# Altium PCB FlightController.PcbDoc (continued)
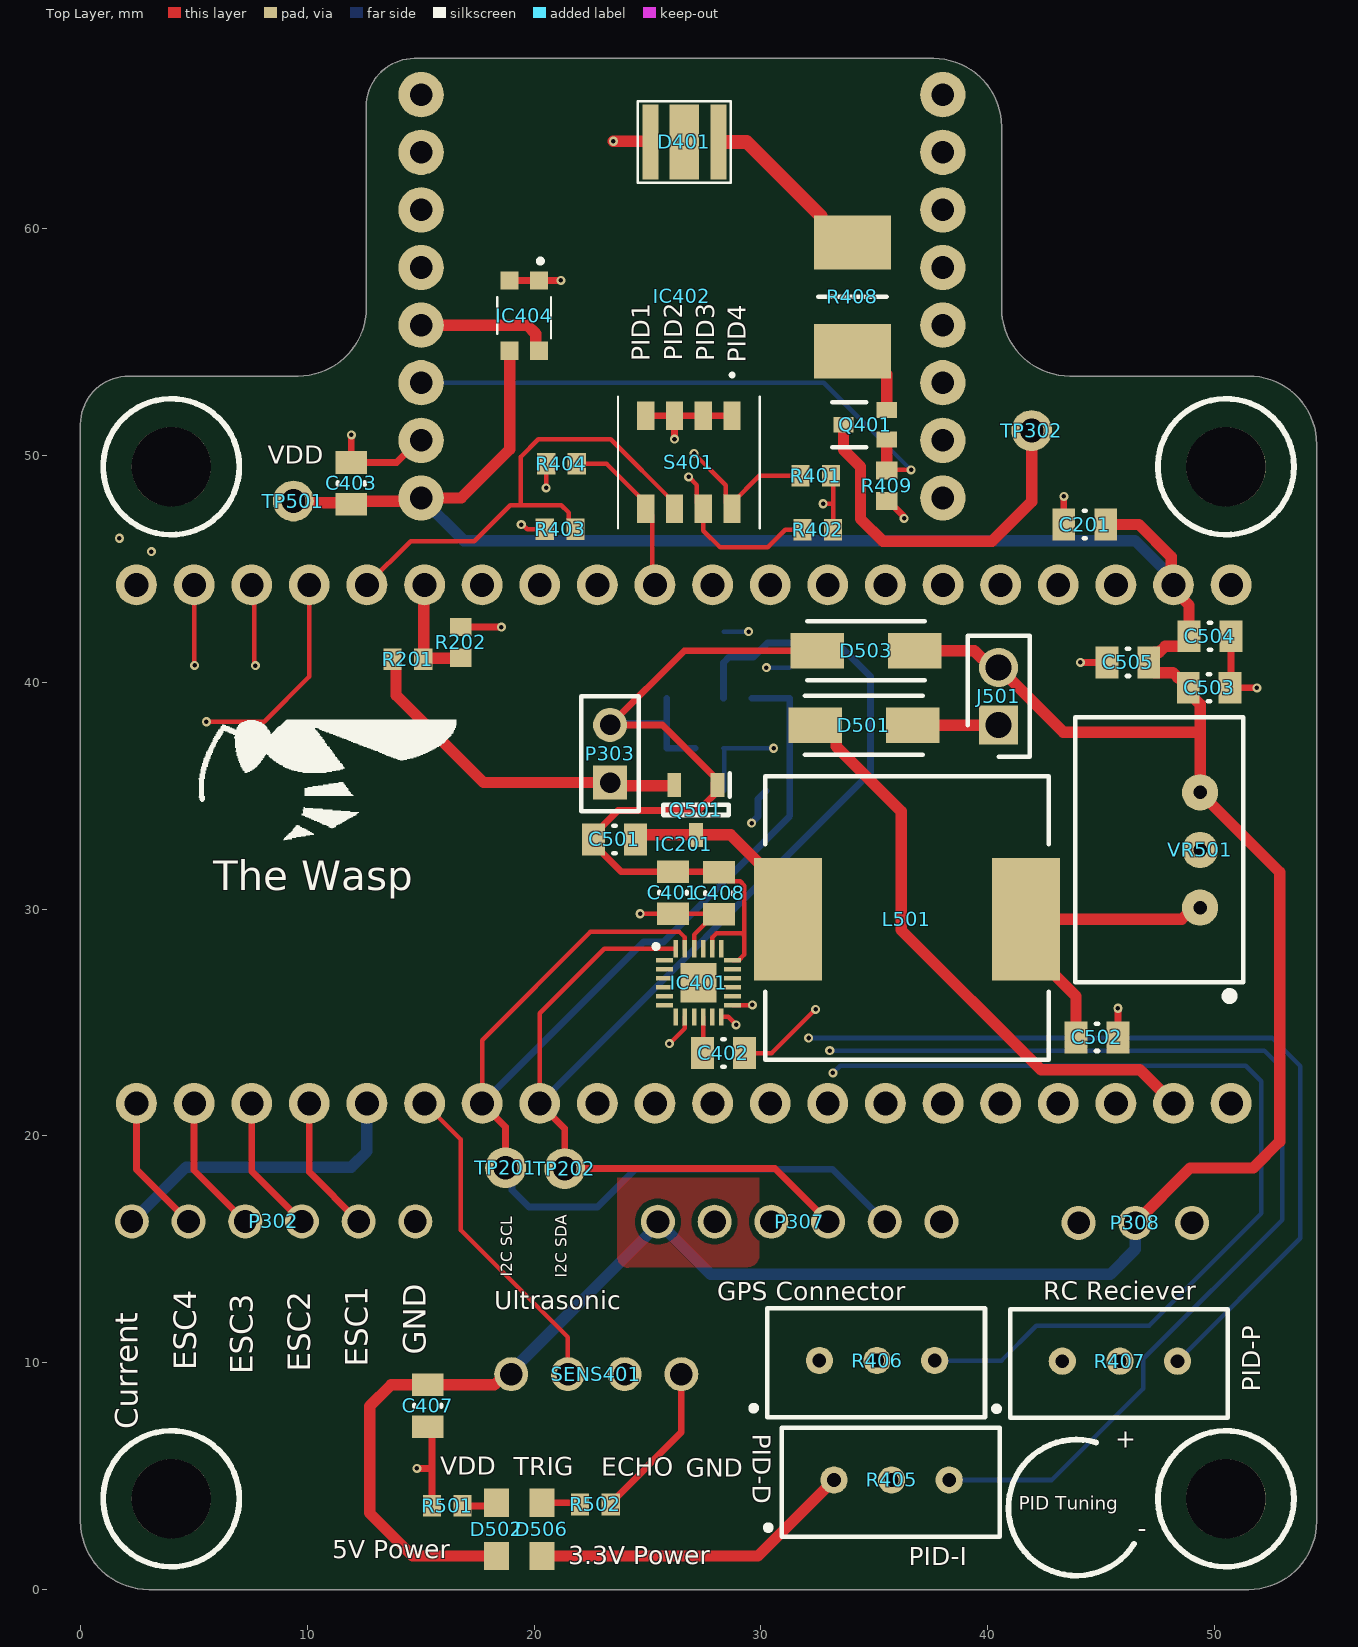
[diagram p0: Top Layer view]
## Footprints (in the part's own frame and the unit in brackets; to place one, negate y for a bottom-side part, rotate by r counter-clockwise, add the part's x,y. Pads: shape width x height; smd on the part's side, far side on the other; paste and mask are expansions set on the pad)
"2.54mm 2 pin Jumper" [mm] "Headers & Wire Housings KK 100 Hdr Assy Bkwy Bkwy 02 Ckt 30 SGold"
  rect 1.725x1.725 hole 1.15: 1(0,0)
  round 1.725 hole 1.15: 2(2.54,0)
  silkscreen extent -1.4,-1.37 3.94,1.37, body extent -1.27,-1.24 3.81,1.24, height 10.67
2N7002WT1G [mm]
  rect 0.7x0.9 smd: 1(0,0) 2(0.65,1.9) 3(-0.65,1.9)
  silkscreen extent -1,-0.5 1,1, body extent -1.1,-0.3 1.1,2.1, height 1.1
0603 [mm] "Generic 0603 resistor"
  rect 0.8x0.95 smd: 1(-0.675,0) 2(0.675,0)
  body extent -0.87,-0.48 0.87,0.48, height 0.55
"0805 Cap" [mm] "Generic 0805 Cap"
  rect 1x1.4 smd: 1(0.675,1.1) 2(2.525,1.1)
  silkscreen extent 1.55,0.5 1.65,1.7, body extent 0.5,0.38 2.7,1.83, height 1.25
2184LPSTJRF [mm]
  rect 0.76x1.27 smd: 1(-1.905,-2.05) 2(-0.635,-2.05) 3(0.635,-2.05) 4(1.905,-2.05) 5(1.905,2.05) 6(0.635,2.05) 7(-0.635,2.05) 8(-1.905,2.05)
  silkscreen extent -3.13,-3.9 3.13,2.9, body extent -3.13,-2.9 3.13,2.9, height 2.8
B3B-XH-A [mm] "3 pin JST-XH connector"
  round 1.5 hole 1: 1(0,0) 2(2.5,0) 3(5,0)
  body extent -2.45,-2.37 7.45,3.38, height 7
B4B-XH-A [mm]
  round 1.5 hole 1: 1(0,0) 2(2.5,0) 3(5,0) 4(7.5,0)
  body extent -2.45,-2.37 9.95,3.38, height 7
B6B-XH-A [mm]
  round 1.5 hole 1: 1(0,0) 2(2.5,0) 3(5,0) 4(7.5,0) 5(10,0) 6(12.5,0)
  body extent -2.45,-2.37 14.95,3.38, height 7
ESP-CAM [mm]
  round 2 hole 1: 1(0,0) 2(0,-2.54) 3(0,-5.08) 4(0,-7.62) 5(0,-10.16) 6(0,-12.7) 7(0,-15.24) 8(0,-17.78) 9(-23,0) 10(-23,-2.54) 11(-23,-5.08) 12(-23,-7.62) 13(-23,-10.16) 14(-23,-12.7) 15(-23,-15.24) 16(-23,-17.78)
  body extent -25.2,-35.25 1.8,5.25, height 4.51
HDR1X2 [mm] "Connector; Header; 2 Position"
  rect 1.5x1.5 hole 0.9: 1(0,0)
  round 1.5 hole 0.9: 2(2.54,0)
  silkscreen extent -1.27,-1.27 3.81,1.27
"LED PAD" [mm]
  rect 0.7x3.3 smd: 1(0.35,0) 2(3.35,0)
  rect 1.3x3.3 smd: 3(1.85,0)
  silkscreen extent -0.2,-1.8 3.9,1.8, body extent 0.13,-1.72 3.58,1.73, height 2
"Mbed LPC1768" [mm]
  round 1.8 hole 1.05: 1(0,0) 2(0,-2.54) 3(0,-5.08) 4(0,-7.62) 5(0,-10.16) 6(0,-12.7) 7(0,-15.24) 8(0,-17.78) 9(0,-20.32) 10(0,-22.86) 11(0,-25.4) 12(0,-27.94) 13(0,-30.48) 14(0,-33.02) 15(0,-35.56) 16(0,-38.1) 17(0,-40.64) 18(0,-43.18) 19(0,-45.72) 20(0,-48.26) 21(22.86,-48.26) 22(22.86,-45.72) 23(22.86,-43.18) 24(22.86,-40.64) 25(22.86,-38.1) 26(22.86,-35.56) 27(22.86,-33.02) 28(22.86,-30.48) 29(22.86,-27.94) 30(22.86,-25.4) 31(22.86,-22.86) 32(22.86,-20.32) 33(22.86,-17.78) 34(22.86,-15.24) 35(22.86,-12.7) 36(22.86,-10.16) 37(22.86,-7.62) 38(22.86,-5.08) 39(22.86,-2.54) 40(22.86,0)
  body extent -1.6,-50.7 24.4,3.7, height 17.18
MS561101BA03-50 [mm]
  rect 1.1x0.6 smd: 1(-1.1,1.875) 2(-1.1,0.625) 3(-1.1,-0.625) 4(-1.1,-1.875) 5(1.1,-1.875) 6(1.1,-0.625) 7(1.1,0.625) 8(1.1,1.875)
  silkscreen extent -2.08,-2.35 1.5,2.35, body extent -1.5,-2.5 1.5,2.5, height 0.95
QFN40P300X300X105-25N-D [mm]
  rect 0.75x0.2 smd: 1(-1.5,1) 2(-1.5,0.6) 3(-1.5,0.2) 4(-1.5,-0.2) 5(-1.5,-0.6) 6(-1.5,-1) 13(1.5,-1) 14(1.5,-0.6) 15(1.5,-0.2) 16(1.5,0.2) 17(1.5,0.6) 18(1.5,1)
  rect 0.2x0.75 smd: 7(-1,-1.5) 8(-0.6,-1.5) 9(-0.2,-1.5) 10(0.2,-1.5) 11(0.6,-1.5) 12(1,-1.5) 19(1,1.5) 20(0.6,1.5) 21(0.2,1.5) 22(-0.2,1.5) 23(-0.6,1.5) 24(-1,1.5)
  rect 1.59x1.75 smd: 25(0,0)
  silkscreen extent -1.97,1.5 -1.78,1.7, body extent -1.5,-1.5 1.5,1.5, height 0.98
RESC6432X65N [mm]
  rect 2.4x3.4 smd: 1(-2.4,0) 2(2.4,0)
  silkscreen extent 0,-1.5 0,1.5, body extent -3.18,-1.6 3.18,1.6, height 0.65
SFH571123Z [mm]
  rect 0.8x0.8 smd: 1(-0.65,-1.55) 2(0.65,-1.55) 3(0.65,1.55) 4(-0.65,1.55)
  silkscreen extent -1.17,-2.45 1.2,1, body extent -1.17,-1.48 1.17,1.48, height 1.35
"SMA (DO-214AC)" [mm]
  rect 2.35x1.55 smd: 1(-2.15,0) 2(2.15,0)
  silkscreen extent -2.6,-1.3 2.6,1.3, body extent -2.6,-1.3 2.6,1.3, height 2.3
"SML-211 Series" [mm] "1.8 V LED2012 (0805) SMD"
  rect 1.25x1.1 smd: 1(0,0) 2(2.35,0)
  body extent 0.18,-0.62 2.18,0.63, height 0.8
SOT95P230X110-3N [mm]
  rect 1.05x0.6 smd: 1(-1.1,0.95) 2(-1.1,-0.95) 3(1.1,0)
  silkscreen extent -1.63,-1.45 0.23,1.5, body extent -1.15,-1.45 1.15,1.45, height 1.1
SRR1280A [mm]
  rect 5.4x3 smd: 1(0,0) 2(0,-10.5)
  silkscreen extent -6.2,-11.5 6.3,1, body extent -6.2,-11.5 6.3,1, height 7.83
"Test Point THT 1mm" [mm]
  round 1.8 hole 1.05: 1(0,0)
  body extent -1.15,-1.15 1.15,1.15, height 5
"TRACOPOWER TSR" [mm]
  round 1.6 hole 0.6: 1(0,0) 2(2.54,0) 3(5.08,0)
  silkscreen extent -4,-1.9 8.4,5.5, body extent -3.3,-1.9 8.4,5.6, height 10.3
"TRIM_POT Bourns 3296" [mm]
  round 1.2 hole 0.6: 1(0,0) 2(2.54,0) 3(5.08,0)
  silkscreen extent -2.94,-2.5 7.3,2.3, body extent -2.24,-2.41 7.28,2.42, height 11.58

## Part data
C201: library part Cap, "Capacitor Box", Catalogue No.="Capacitor Box", LatestRevisionDate=17-Jul-2002, LatestRevisionNote="Re-released for DXP Platform.", PackageDescription="Radial Cap, Thru-Hole; 2 Leads; 0.3 in Pin Spacing", PackageReference=RAD-0.3, Published=8-Jun-2000, Publisher="Altium Limited"
C401 C403 C404 C407: "Capacitor", ComponentLink1Description=Purchase, ComponentLink1URL=https://uk.rs-online.com/web/p/mlccs-multilayer-ceramic-capacitors/6480957/, LatestRevisionDate=17-Jul-2002, LatestRevisionNote="Re-released for DXP Platform.", PackageDescription="Radial Cap, Thru-Hole; 2 Leads; 0.3 in Pin Spacing", PackageReference=RAD-0.3, Published=8-Jun-2000, Publisher="Altium Limited", Purchase=https://uk.rs-online.com/web/p/mlccs-multilayer-ceramic-capacitors/6480957/
C402 C408: "Low ESR Capacitor", ComponentLink1Description=Purchase, ComponentLink1URL=https://uk.rs-online.com/web/p/mlccs-multilayer-ceramic-capacitors/7883048/, LatestRevisionDate=17-Jul-2002, LatestRevisionNote="Re-released for DXP Platform.", PackageDescription="Radial Cap, Thru-Hole; 2 Leads; 0.3 in Pin Spacing", PackageReference=RAD-0.3, Published=8-Jun-2000, Publisher="Altium Limited", Purchase=https://uk.rs-online.com/web/p/mlccs-multilayer-ceramic-capacitors/7883048/
C501 C502 C503 C504 C505: library part Cap, "https://uk.rs-online.com/web/p/mlccs-multilayer-ceramic-capacitors/9159325/?relevancy-data=636F3D3126696E3D4931384E525353746F636B4E756D626572266C753D656E266D6D3D6D61746368616C6C26706D3D5E2828282872737C5253295B205D3F293F285C647B337D5B5C2D5C735D3F5C647B332C347D5B705061415D3F29297C283235285C647B387D7C5C647B317D5C2D5C647B377D2929292426706F3D3126736E3D592673723D2673743D52535F53544F434B5F4E554D4245522677633D4E4F4E45267573743D3931352D39333235267374613D3931353933323526&searchHistory=%7B%22enabled%22%3Atrue%7D", Catalogue No.=766-1217, LatestRevisionDate=17-Jul-2002, LatestRevisionNote="Re-released for DXP Platform.", PackageDescription="Radial Cap, Thru-Hole; 2 Leads; 0.3 in Pin Spacing", PackageReference=RAD-0.3, Published=8-Jun-2000, Publisher="Altium Limited"
D401: library part LED1, "https://www.mouser.co.uk/ProductDetail/Cree-LED/XBDBLU-00-0000-000000201?qs=L2F6Qc639cBX0No8%252B6LF0A%3D%3D", LatestRevisionDate=08-Jul-2005, LatestRevisionNote="Mech Layer 1 removed.", PackageDescription="LED; 2 Leads", PackageReference=LED-1, Published=8-Jun-2000, Publisher="Altium Limited"
D501 D503: library part "D Schottky", "Schottky Diode", ComponentLink1Description=Purchase, ComponentLink1URL=https://www.mouser.co.uk/ProductDetail/Diodes-Incorporated/B260A-13-F?qs=9XwZYT68TnR%252B3fnyovGFLA%3D%3D, Purchase=https://www.mouser.co.uk/ProductDetail/Diodes-Incorporated/B260A-13-F?qs=9XwZYT68TnR%252B3fnyovGFLA%3D%3D
D502 D506: "Typical RED, GREEN, YELLOW, AMBER GaAs LED", ComponentLink1Description=Purchase, ComponentLink1URL=https://uk.rs-online.com/web/p/leds/7007897/, Purchase=https://uk.rs-online.com/web/p/leds/7007897/
IC201: library part "Header 20X2", "https://www.mouser.co.uk/ProductDetail/3M-Electronic-Solutions-Division/929850-01-20-RB?qs=sGAEpiMZZMs%252BGHln7q6pmzzqnf3%2F1AeI8GQqYPHkSyE%3D", Catalogue No.=517-929850-01-20-RB, Headers=929850-01-20-RB, LatestRevisionDate=17-Jul-2002, LatestRevisionNote="Re-released for DXP Platform.", Publisher="Altium Limited"
IC401: "https://www.mouser.co.uk/ProductDetail/TDK-InvenSense/MPU-6881?qs=u4fy%2FsgLU9MthFpyRcZ0%252Bg%3D%3D"
IC402: library part ESP-CAM
IC403: "Integrated Circuit Note, Mouser Chepaer", Manufacturer_Name="TE Connectivity", Mouser2 Part Number=824-MS561101BA03-50, ComponentLink1Description=Purchase, ComponentLink1URL=https://uk.rs-online.com/web/p/pressure-sensor-ics/8937130/, Datasheet Link=https://componentsearchengine.com//MS561101BA03-50.pdf, Manufacturer_Part_Number=MS561101BA03-50, Mouser2 Price/Stock=https://www.mouser.com/Search/Refine.aspx?Keyword=824-MS561101BA03-50, Purchase=https://uk.rs-online.com/web/p/pressure-sensor-ics/8937130/
IC404: "https://www.mouser.co.uk/ProductDetail/ams-OSRAM/SFH-5711-2-3-Z?qs=K5ta8V%252BWhtZqF99oIrrnNw%3D%3D", Manufacturer_Name=OSRAM, Manufacturer_Part_Number="SFH 5711-2/3-Z", Mouser Part Number=720-SFH5711-2/3-Z, Datasheet Link=https://dammedia.osram.info/media/resource/hires/osram-dam-2496447/SFH%205711.pdf, Height=1.25mm, Mouser Price/Stock=https://www.mouser.co.uk/ProductDetail/OSRAM-Opto-Semiconductors/SFH-5711-2-3-Z?qs=K5ta8V%252BWhtZqF99oIrrnNw%3D%3D
L501: library part Inductor, "https://www.mouser.co.uk/ProductDetail/Bourns/SRR1240-5R6M?qs=xrpI9KL%2FXvsXaYuKX%252BElwQ%3D%3D", Catalogue No.=652-SRR1280A-331K, Code_IEC=1005, Code_JEITA=0402, LatestRevisionDate=29-May-2009, LatestRevisionNote="IPC-7351 Footprint Added.", PackageDescription="Chip Inductor", PackageReference=0402-A, Published=8-Jun-2000, Publisher="Altium Limited"
P302 P307: library part "Header 6", "Header, 6-Pin", LatestRevisionDate=17-Jul-2002, LatestRevisionNote="Re-released for DXP Platform.", Publisher="Altium Limited", Purchase=https://uk.farnell.com/jst-japan-solderless-terminals/b6b-xh-a-lf-sn/connector-header-tht-2-5mm-6way/dp/1516282?ost=b6b-xh-a
P303: library part "Header 2", "Header, 2-Pin", LatestRevisionDate=17-Jul-2002, LatestRevisionNote="Re-released for DXP Platform.", Publisher="Altium Limited", Purchase=https://hobbyking.com/en_us/nylon-xt60-connectors-male-female-5-pairs-genuine.html?___store=en_us
P308: library part "Header 3", "Header, 3-Pin", LatestRevisionDate=17-Jul-2002, LatestRevisionNote="Re-released for DXP Platform.", Publisher="Altium Limited", Purchase=https://uk.farnell.com/jst-japan-solderless-terminals/b3b-xh-a-lf-sn/header-vertical-3way/dp/1516277?ost=b3b-xh-a
Q401: library part MOSFET-N, "https://www.mouser.co.uk/ProductDetail/ON-Semiconductor/2N7002WT1G?qs=%2Fha2pyFadujPTHSYx5%2FnTbaF5MlOOaLYuqobFODOT4c%3D", Catalogue No.=863-2N7002WT1G, LatestRevisionDate=17-Jul-2002, LatestRevisionNote="Re-released for DXP Platform.", PackageDescription="TO, Flat Index; 3 In-Line, Axial Leads; Body Dia. 4.6mm; Lead Dia. 0.5 mm (max)", PackageReference=E3, PackageVersion=1995/1996, Published=8-Jun-2000, Publisher="Altium Limited"
Q501: "P-Channel MOSFET", ComponentLink1Description=Purchase, ComponentLink1URL=https://www.mouser.co.uk/ProductDetail/Nexperia/PMV250EPEAR?qs=Yna0arPQ0CTtAa8k6X9CyQ%3D%3D, Purchase=https://www.mouser.co.uk/ProductDetail/Nexperia/PMV250EPEAR?qs=Yna0arPQ0CTtAa8k6X9CyQ%3D%3D
R201 R202 R205 R206 R401 R402 R403 R404 R409 R501 R502: library part Res1, "Resistor", ComponentLink1Description=Purcahse, LatestRevisionDate=17-Jul-2002, LatestRevisionNote="Re-released for DXP Platform.", PackageDescription="Axial Device, Thru-Hole; 2 Leads; 0.3 in Pin Spacing", PackageReference=AXIAL-0.3, Published=8-Jun-2000, Publisher="Altium Limited"
  R201 R202 R205 R206 R501 R502: ComponentLink1URL=https://uk.rs-online.com/web/p/mlccs-multilayer-ceramic-capacitors/2644236/, Purchase=https://uk.rs-online.com/web/p/mlccs-multilayer-ceramic-capacitors/2644236/
  R401 R402 R404: ComponentLink1URL=https://uk.rs-online.com/web/p/mlccs-multilayer-ceramic-capacitors/2644236/, Purchase=https://uk.rs-online.com/web/p/surface-mount-fixed-resistors/9013601/
  R403 R409: ComponentLink1URL=https://uk.rs-online.com/web/p/surface-mount-fixed-resistors/9013601/, Purchase=https://uk.rs-online.com/web/p/surface-mount-fixed-resistors/9013601/
R405 R406 R407: "https://uk.rs-online.com/web/p/trimmer-resistors/5219805/", LatestRevisionDate=17-Jul-2002, LatestRevisionNote="Re-released for DXP Platform.", PackageDescription="Variable Resistor, Thru-Hole; 3 Leads", PackageReference=VR5, Published=8-Jun-2000, Publisher="Altium Limited", Set Position=0.5, Sim Note="Enter the Resistance value and the set point into parameter fields."
R408: library part Res1, "https://www.mouser.co.uk/ProductDetail/TE-Connectivity-Holsworthy/CRGH2512J68R?qs=HLeXuo0aL2q34i8u56pcOQ%3D%3D", LatestRevisionDate=17-Jul-2002, LatestRevisionNote="Re-released for DXP Platform.", PackageDescription="Axial Device, Thru-Hole; 2 Leads; 0.3 in Pin Spacing", PackageReference=AXIAL-0.3, Published=8-Jun-2000, Publisher="Altium Limited"
S401: "DIP Switches/SIP Switches SURFACE MOUNT, GOLD, HALF-PITCH DIP SWITCH, 4-POLE, LOW PROFILE ACTUATOR, BOTTOM SEAL, TAPE SEAL, J-BEND, REEL, OFF", Manufacturer_Name=CTS, Datasheet Link=https://www.ctscorp.com/wp-content/uploads/218.pdf, Height=2.7mm, Manufacturer_Part_Number=218-4LPSTJRF, Purchase=https://www.mouser.co.uk/ProductDetail/CTS-Electronic-Components/218-4LPSTJRF?qs=%2Fha2pyFadug5kYncPhJ9FkmRH7GTEiEUUQMrCssHcOgjfy8aTjLtCQ%3D%3D
SENS401: library part "Header 4", "Ultrasonic Distance Sensor", LatestRevisionDate=17-Jul-2002, LatestRevisionNote="Re-released for DXP Platform.", Publisher="Altium Limited", Purchase=https://www.sparkfun.com/products/15569
VR501: library part "Volt Reg", "https://uk.farnell.com/tracopower/tsr-1-2450/converter-dc-dc-5v-1a-sip/dp/1696320", Catalogue No.=666-4379, LatestRevisionDate=29-May-2009, LatestRevisionNote="IPC-7351 Footprint Added.", PackageDescription="3-Pin Transistor Outline Package 2.54 mm Pitch, 15.1 mm Lead Span", PackageReference=D2PAK, Published=24-Mar-1999, Publisher="Altium Limited"
J501: Purchase=https://www.mouser.co.uk/ProductDetail/Molex/22-28-5027?qs=l%252BWx29wYPrz7EnZr1XjkzQ%3D%3D
TP201 TP202 TP302 TP501: ComponentLink1Description=Purchase, ComponentLink1URL=https://uk.rs-online.com/web/p/terminal-posts/2622179/?relevancy-data=7365617263685F636173636164655F6F726465723D31267365617263685F696E746572666163655F6E616D653D4931384E525353746F636B4E756D626572267365617263685F6C616E67756167655F757365643D656E267365617263685F6D617463685F6D6F64653D6D61746368616C6C267365617263685F7061747465726E5F6D6174636865643D5E2828282872737C5253295B205D3F293F285C647B337D5B5C2D5C735D3F5C647B332C347D5B705061415D3F29297C283235285C647B387D7C5C647B317D5C2D5C647B377D29292924267365617263685F7061747465726E5F6F726465723D31267365617263685F73745F6E6F726D616C697365643D59267365617263685F726573706F6E73655F616374696F6E3D267365617263685F747970653D52535F53544F434B5F4E554D424552267365617263685F77696C645F63617264696E675F6D6F64653D4E4F4E45267365617263685F6B6579776F72643D3236322D32313739267365617263685F6B6579776F72645F6170703D32363232313739267365617263685F636F6E6669673D3026&searchHistory=%7B%22enabled%22%3Atrue%7D\, Purchase=https://uk.rs-online.com/web/p/terminal-posts/2622179/?relevancy-data=7365617263685F636173636164655F6F726465723D31267365617263685F696E746572666163655F6E616D653D4931384E525353746F636B4E756D626572267365617263685F6C616E67756167655F757365643D656E267365617263685F6D617463685F6D6F64653D6D61746368616C6C267365617263685F7061747465726E5F6D6174636865643D5E2828282872737C5253295B205D3F293F285C647B337D5B5C2D5C735D3F5C647B332C347D5B705061415D3F29297C283235285C647B387D7C5C647B317D5C2D5C647B377D29292924267365617263685F7061747465726E5F6F726465723D31267365617263685F73745F6E6F726D616C697365643D59267365617263685F726573706F6E73655F616374696F6E3D267365617263685F747970653D52535F53544F434B5F4E554D424552267365617263685F77696C645F63617264696E675F6D6F64653D4E4F4E45267365617263685F6B6579776F72643D3236322D32313739267365617263685F6B6579776F72645F6170703D32363232313739267365617263685F636F6E6669673D3026&searchHistory=%7B%22enabled%22%3Atrue%7D\

## Free pads (board coordinates)
  round 3.5 hole 3.5: ""(4,4) ""(4,49.5) ""(50.5,4) ""(50.5,49.5)

## Via types
v1: diameter 0.4, hole 0.2, Top Layer to Bottom Layer, 34 vias

## Nets (pads, with @x,y where several pads share a name; then routed paths per layer and width w, separated by ;. In a path a pad name is that pad's centre, name@x,y a point inside that pad or via, vN(x,y) a via of type N, cw(c..) or ccw(c..) an arc to the next point about the centre after c; other vN are vias at no path point)
GND: C201.2 C401.1 C402.1 C403.1 C404.1 C407.1 C408.1 C501.1 C502.1 C503.1 C504.1 C505.1 D401.2 D503.1 IC201.1 IC401.18 IC401.20 IC402.2 IC402.12 IC402.16 IC403.3 IC403.4 IC403.5 IC404.1 IC404.2 P302.6 P303.2 P307.6 P308.1 Q501.1 R202.2 R405.2 R406.2 R407.2 R409.2 R501.1 R502.1 S401.1 S401.2 S401.3 S401.4 SENS401.1 VR501.2 | length 82.9
  Top Layer w0.2: IC401.20 27.85,28.749 28.026,28.925 29.165,28.925 29.27,28.819 ; C408.1 28.554,31.221 29.081,31.221 29.27,31.032 29.27,28.819 ; IC401.18 29.025,27.75 29.27,27.995 29.27,28.819 ; C402.1 30.478,23.651 v1(32.408,25.58)
  Top Layer w0.3: v1(11.94,50.905) C403.1 13.941,49.691 14.915,50.665 IC402.2 ; v1(14.833,5.336) 15.497,5.336 ; C407.1 15.497,6.984 15.497,5.336 ; R501.1 15.497,5.336 ; R202.2 v1(18.558,42.432) ; IC404.2 IC404.1 v1(21.181,57.718) ; R502.1 23.38,3.824 26.491,6.935 SENS401.1 ; S401.4 S401.3 ; D401.2@25.093,63.85 D401.2 ; v1(26.189,50.721) S401.3 ; C408.1 28.134,31.642 C401.1 23.844,31.642 22.617,32.868 C501.1 22.617,33.268 23.696,34.347 27.253,34.347 27.935,35.029 27.935,35.546 28.085,35.696 25.664,38.117 P303.2 26.618,41.387 D503.1 ; S401.1 S401.2 S401.3 ; R409.2 35.619,47.991 36.289,47.32 36.289,47.245 v1(36.309,47.226) ; C201.2 v1(43.354,48.195) ; v1(44.086,40.874) C505.1 ; C502.1 v1(45.74,25.627) ; C504.1 50.721,39.791 C503.1 v1(51.868,39.755)
  Top Layer w0.5: v1(23.492,63.85) D401.2@25.093,63.85
  Bottom Layer w0.3: P303.2 23.422,38.19 25.849,38.19 ; IC403.5 25.849,38.19 ; IC403.3 IC403.4 25.849,38.19 ; v1(29.587,33.793) 29.873,34.079 29.873,34.859 C404.1
LED: IC402.3 Q401.2 R409.1 | length 25.6
  Top Layer w0.2: R409.1 35.562,49.359 v1(36.619,49.359)
  Top Layer w0.5: Q401.2 35.542,50.702 35.542,49.343 R409.1
  Bottom Layer w0.2: IC402.3 32.773,53.205 v1(36.619,49.359)
Mbed_Vin: C201.1 C403.2 C407.2 C503.2 C504.2 C505.2 D502.1 D503.2 IC201.2 IC402.1 IC404.3 J501.2 P307.1 P308.2 SENS401.4 TP501.1 VR501.3 | length 156.6
  Top Layer w0.5: TP501.1 9.463,47.915 11.865,47.915 C403.2 12.082,47.983 14.875,47.983 IC402.1 16.784,48.125 18.922,50.263 IC404.3 ; D502.1 14.643,1.479 12.747,3.375 12.747,8.077 13.693,9.023 C407.2 18.247,9.023 18.72,9.496 SENS401.4 ; D503.2 39.407,41.387 40.147,40.647 J501.2 40.484,40.647 43.329,37.801 49.362,37.801 ; C201.1 46.661,46.952 48.087,45.526 48.087,44.394 IC201.2 48.188,44.082 48.871,43.4 C504.2 48.871,41.831 48.621,41.581 47.811,41.581 47.555,41.324 47.355,41.324 47.105,41.074 C505.2 47.105,40.674 47.355,40.424 48.164,40.424 48.384,40.205 48.584,40.205 48.834,39.955 C503.2 48.834,39.555 49.362,39.027 49.362,37.801 ; P308.2 48.922,18.581 51.704,18.581 52.869,19.745 52.869,31.637 VR501.3 49.362,37.801
  Bottom Layer w0.5: IC402.1 16.897,46.245 46.495,46.245 48.188,44.552 IC201.2 ; SENS401.4 18.991,9.623 25.459,16.09 P307.1 27.774,13.901 45.408,13.901 46.506,14.999 P308.2
NetC402_2: C402.2 IC401.10 | length 1.6
  Top Layer w0.2: C402.2 27.45,23.68 IC401.10
NetC501_2: C501.2 L501.1 Q501.3 | length 9
  Top Layer w0.5: C501.2 24.671,33.271 28.671,33.271 31.186,30.757 L501.1
NetC502_2: C502.2 L501.2 VR501.1 | length 14
  Top Layer w0.5: C502.2 43.89,26.152 41.686,28.357 L501.2 48.557,29.557 49.064,30.064 VR501.1
NetD401_1: D401.1 R408.1 | length 7.9
  Top Layer w0.6: D401.1 29.375,63.819 32.637,60.557 32.637,60.287 33.537,59.387 R408.1
NetD501_2: D501.2 J501.1 | length 3.8
  Top Layer w0.5: D501.2 36.695,38.107 J501.1
NetD502_2: D502.2 R501.2 | length 1.6
  Top Layer w0.3: R501.2 18.207,3.689 D502.2
NetD506_2: D506.2 R502.2 | length 1.7
  Top Layer w0.3: D506.2 21.95,3.829 R502.2
NetIC201_8: IC201.8 IC401.12 | length 22.7
  Top Layer w0.2: IC401.12 28.552,25.25 v1(28.905,24.897)
  GND w0.2: v1(28.905,24.897) 28.925,24.878 30.335,24.878 32.948,27.491 IC201.8
NetIC201_9: IC201.9 IC402.14 | length 19.7
  GND w0.4: IC201.9 30.408,53.216 IC402.14
NetIC201_10: IC201.10 IC402.15 | length 23.3
  GND w0.4: IC201.10 27.868,53.216 IC402.15
NetIC201_11: IC201.11 R404.2 S401.5 | length 7.5
  Top Layer w0.2: R404.2 23.194,49.625 24.919,47.9 S401.5 25.199,47.365 25.199,44.422 IC201.11
NetIC201_14: IC201.14 P308.3 | length 56.6
  Power w0.4: IC201.14 17.708,36.828 23.216,31.32 44.248,31.32 52.805,22.764 52.805,19.963 P308.3
NetIC201_15: IC201.15 R201.2 R202.1 | length 4.9
  Top Layer w0.5: R201.2 R201.2@15.139,41.048 ; IC201.15 15.139,44.264 R201.2@15.139,41.048 ; R202.1 16.74,41.05 15.142,41.05 R201.2@15.139,41.048
NetIC201_16: IC201.16 R403.2 S401.6 | length 22
  Top Layer w0.2: IC201.16 14.556,46.221 17.36,46.221 18.941,47.802 19.406,47.802 ; R403.2 21.519,47.041 21.519,47.482 21.199,47.802 19.406,47.802 ; S401.6 26.189,47.9 23.376,50.714 20.188,50.714 19.406,49.932 19.406,47.802
NetIC201_17: IC201.17 SENS401.2 | length 57.7
  Top Layer w0.2: v1(5.549,38.259) 8.097,38.259 10.088,40.25 IC201.17
  GND w0.2: v1(5.549,38.259) 1.138,33.848 1.138,19.051 2.034,18.154 16.165,18.154 23.773,10.546 23.773,9.714 SENS401.2
NetIC201_18: IC201.18 R405.3 | length 83.3
  Top Layer w0.2: IC201.18 7.671,44.171 7.671,40.772 v1(7.709,40.733)
  GND w0.2: v1(7.709,40.733) 24.93,23.513 32.785,23.513 v1(33.033,23.761)
  Bottom Layer w0.2: v1(33.033,23.761) 52.199,23.761 52.993,22.967 52.993,16.304 46.858,10.169 46.858,8.861 42.826,4.829 R405.3
NetIC201_19: IC201.19 R406.3 | length 81.4
  Top Layer w0.2: IC201.19 5.022,44.28 5.022,40.755 v1(5.035,40.742)
  GND w0.2: v1(5.035,40.742) 23.001,22.776 v1(33.171,22.776)
  Bottom Layer w0.2: v1(33.171,22.776) 33.494,23.099 51.37,23.099 52.058,22.411 52.058,16.58 47.111,11.632 42.142,11.632 40.605,10.095 R406.3
NetIC201_20: IC201.20 R407.3 | length 75.4
  GND w0.2: IC201.20 4.954,41.807 10.406,41.807 27.899,24.315 v1(32.1,24.315)
  Bottom Layer w0.2: v1(32.1,24.315) 52.546,24.315 53.782,23.079 53.782,15.479 R407.3
NetIC201_21: IC201.21 P302.2 | length 6.2
  Top Layer w0.3: IC201.21 2.468,18.524 P302.2
NetIC201_22: IC201.22 P302.3 | length 6.1
  Top Layer w0.3: IC201.22 5.008,18.484 P302.3
NetIC201_23: IC201.23 P302.4 | length 6.1
  Top Layer w0.3: IC201.23 7.548,18.444 P302.4
NetIC201_24: IC201.24 P302.5 | length 6.1
  Top Layer w0.3: IC201.24 10.088,18.404 P302.5
NetIC201_25: IC201.25 P302.1 | length 13.8
  Bottom Layer w0.5: P302.1 4.658,18.622 11.934,18.622 12.628,19.316 IC201.25
NetIC201_26: IC201.26 SENS401.3 | length 14.6
  Top Layer w0.2: IC201.26 16.759,19.842 16.759,15.848 21.491,11.117 SENS401.3
NetIC201_27: IC201.27 IC401.23 IC403.8 P307.5 R205.2 TP201.1 | length 62.7
  Top Layer w0.2: IC201.27 17.708,24.22 22.48,28.992 26.407,28.992 26.65,28.749 IC401.23
  Top Layer w0.3: IC201.27 18.741,20.401 TP201.1
  Bottom Layer w0.3: IC201.27 24.82,28.546 25.705,28.546 31.272,34.112 R205.2 29.603,39.295 IC403.8 ; TP201.1 19.028,18.311 19.028,17.606 19.77,16.864 22.792,16.864 24.46,18.532 33.143,18.532 P307.5
NetIC201_28: IC201.28 IC401.24 IC403.7 P307.4 R206.2 TP202.1 | length 60.9
  Top Layer w0.2: IC201.28 20.248,25.406 23.092,28.25 IC401.24
  Top Layer w0.3: IC201.28 21.349,20.332 TP202.1 30.619,18.556 P307.4
  Bottom Layer w0.3: IC201.28 34.83,36.016 34.83,40.25 33.347,41.733 30.286,41.733 29.669,41.116 28.601,41.116 R206.2 28.349,40.863 IC403.7
NetIC201_29: IC201.29 R401.2 S401.8 | length 69.3
  Top Layer w0.2: v1(27.051,50.085) 28.449,48.687 28.449,47.925 S401.8 28.729,47.9 29.928,49.099 R401.2
  GND w0.2: v1(1.716,46.347) 17.121,46.347 20.86,50.085 v1(27.051,50.085)
  Power w0.2: v1(1.716,46.347) 0.755,45.386 0.755,41.565 11.183,31.136 13.085,31.136 IC201.29
NetIC201_30: IC201.30 R402.2 S401.7 | length 70.1
  Top Layer w0.2: v1(26.812,49.052) 27.179,48.685 27.179,47.925 S401.7 27.459,46.684 28.197,45.946 30.294,45.946 31.076,46.728 R402.2
  GND w0.2: v1@3.145,45.754 20.172,45.754 23.47,49.052 v1(26.812,49.052)
  Power w0.2: v1(3.124,45.757) 2.051,45.757 1.138,44.844 1.138,42.774 4.504,39.408 7.353,39.408 IC201.30
NetIC402_10: IC402.10 P307.2 | length 68.4
  GND w0.4: P307.2 30.293,18.551 51.159,18.551 52.957,20.349 52.957,44.623 51.458,46.122 42.975,46.122 38.432,50.665 IC402.10
NetP307_3: P307.3
NetQ401_3: Q401.3 R408.2 | length 3.5
  Top Layer w0.5: R408.2 34.537,54.587 35.54,53.584 Q401.3
Photo: IC402.4 IC404.4 | length 6
  Top Layer w0.5: IC402.4 19.693,55.745 20.072,55.366 20.072,54.768 IC404.4
VBATT: P303.1 Q401.1 Q501.2 R201.1 TP302.1 | length 80
  Top Layer w0.5: R201.1 13.91,40.868 13.91,39.433 17.766,35.577 P303.1 23.484,35.44 Q501.2@26.164,35.44 ; Q401.1 33.64,50.253 34.393,49.501 34.393,47.198 35.369,46.222 40.197,46.222 41.936,47.962 TP302.1
  Power w0.5: P303.1 46.078,35.577 52.907,42.407 52.907,44.449 51.244,46.113 46.918,46.113 TP302.1
"VDD 3.3V": C401.2 C404.2 C408.2 D506.1 IC201.40 IC401.8 IC401.13 IC401.22 IC403.1 IC403.2 R205.1 R206.1 R401.1 R402.1 R403.1 R404.1 R405.1 R406.1 R407.1 | length 33.4
  Top Layer w0.2: v1(19.433,46.949) 19.487,46.949 19.695,46.741 R403.1 ; v1(20.532,48.57) R404.1 ; v1(24.671,29.792) C401.2 28.134,29.792 C408.2 27.954,29.771 27.05,28.867 IC401.22 ; v1(25.962,24.067) 25.966,24.067 26.65,24.751 IC401.8 ; IC401.13 29.597,25.75 v1(29.62,25.773) ; v1(32.744,47.87) 33.182,47.87 ; R401.1 33.182,49.011 33.182,47.87 ; R402.1 33.182,47.87
  Top Layer w0.5: D506.1 29.872,1.479 R405.1
  Bottom Layer w0.2: R206.1 v1(29.458,42.232) ; C404.2 28.373,37.066 IC403.2 IC403.1 v1(30.558,37.09) ; v1(30.244,40.645) R205.1
"VDD USB 5V": D501.1 IC201.39 | length 26.1
  Top Layer w0.5: D501.1 32.79,38.102 33.315,37.577 33.315,37.177 36.18,34.312 36.18,29.079 42.346,22.913 46.708,22.913 48.003,21.619 48.188,21.619 IC201.39
pads on no net: D401.3 IC201.3 IC201.4 IC201.5 IC201.6 IC201.7 IC201.12 IC201.13 IC201.31 IC201.32 IC201.33 IC201.34 IC201.35 IC201.36 IC201.37 IC201.38 IC401.1 IC401.2 IC401.3 IC401.4 IC401.5 IC401.6 IC401.7 IC401.9 IC401.11 IC401.14 IC401.15 IC401.16 IC401.17 IC401.19 IC401.21 IC401.25 IC402.5 IC402.6 IC402.7 IC402.8 IC402.9 IC402.11 IC402.13 IC403.6

## Polygon pours and split planes (outlines as drawn)
GND on Top Layer "GND_L01_P011" (solid, pour order 11): 23.663,14.687 23.663,18.677 cw(c24.16,18.677) 24.16,19.175 29.411,19.175 cw(c29.411,18.665) 29.921,18.665 29.921,14.711 cw(c29.422,14.711) 29.424,14.211 24.164,14.188 cw(c24.162,14.687)
no net on Mechanical 1 "NONET_L-01_P-001" (none, pour order 18): 12.599,56.501 12.599,65.379 cw(c14.72,65.379) 14.72,67.5 37.608,67.5 cw(c37.608,64.5) 40.609,64.5 40.609,56.507 ccw(c43.616,56.507) 43.616,53.499 51.5,53.499 cw(c51.5,50.499) 54.5,50.499 54.5,3.002 cw(c51.498,3.002) 51.498,0 3.004,0 cw(c3.004,3.004) 0,3.004 0,51.374 cw(c2.126,51.374) 2.126,53.499 9.597,53.499 ccw(c9.597,56.501)
GND on GND "GND_L02_P016" (solid, pour order 16): 0.5,3.509 0.5,49.98 cw(c3.52,49.98) 3.52,53 10.086,53 ccw(c10.086,56.006) 13.092,56.001 13.106,64.005 cw(c16.106,64) 16.106,67 37.091,67 cw(c37.091,63.991) 40.1,63.99 40.1,56.01 ccw(c43.11,56.01) 43.11,53 50.992,53 cw(c50.992,49.992) 54,49.992 54,2.632 cw(c51.868,2.632) 51.868,0.5 3.509,0.5 cw(c3.509,3.509)
"VDD 3.3V" on Power "VDD_3.3V_L03_P019" (solid, pour order 19): 0.5,3.509 0.5,49.98 cw(c3.52,49.98) 3.52,53 10.086,53 ccw(c10.086,56.006) 13.092,56.001 13.106,64.005 cw(c16.106,64) 16.106,67 37.091,67 cw(c37.091,63.991) 40.1,63.99 40.1,56.01 ccw(c43.11,56.01) 43.11,53 50.992,53 cw(c50.992,49.992) 54,49.992 54,2.632 cw(c51.868,2.632) 51.868,0.5 3.509,0.5 cw(c3.509,3.509)

## Silkscreen, mask and mechanical layers (free items; w line width, h text height)
Top Overlay:
  drawing of 9 lines, arcs and shapes, not listed
  text "PID2" at 26.541,54.176 h0.8 r90
  text "PID1" at 25.088,54.155 h0.8 r90
  text "PID3" at 27.942,54.155 h0.8 r90
  text "PID4" at 29.332,54.092 h0.8 r90
  text "VDD" at 8.258,49.643 h0.8
  text "The Wasp" at 5.859,30.827 h1.3
  text "I2C SCL" at 19.028,13.787 h0.5 r90
  text "I2C SDA" at 21.436,13.754 h0.5 r90
  text "RC Reciever" at 42.453,12.777 h0.8
  text "GPS Connector" at 28.084,12.757 h0.8
  text "Ultrasonic" at 18.239,12.36 h0.8
  text "GND" at 15.229,10.352 h1 r90
  text "ESC1" at 12.67,9.825 h1 r90
  text "ESC4" at 5.107,9.661 h1 r90
  text "ESC2" at 10.127,9.595 h1 r90
  text "ESC3" at 7.585,9.497 h1 r90
  text "PID-P" at 52.022,8.722 h0.8 r90
  text "Current" at 2.521,7.063 h1 r90
  text "PID-D" at 29.631,6.86 h0.8 r270
  text "+" at 45.622,6.258 h0.8
  text "VDD" at 15.858,5.069 h0.8
  text "TRIG" at 19.107,5.044 h0.8
  text "ECHO" at 22.951,5.02 h0.8
  text "GND" at 26.695,4.97 h0.8
  text "PID Tuning" at 41.364,3.524 h0.6
  text "-" at 46.607,2.307 h0.8
  text "5V Power" at 11.102,1.373 h0.8
  text "3.3V Power" at 21.503,1.117 h0.8
  text "PID-I" at 36.513,1.077 h0.8
Bottom Overlay:
  drawing of 78 lines, arcs and shapes, not listed